# Altium PCB PCB7.PcbDoc (part 2 of 2)
Units mm, origin at the board's own origin, x right, y up, seen from the top; angles counter-clockwise.
Board outline 80 x 75 mm, 4 copper layers (Top Layer, Ground, Power, Bottom Layer), stack 0.603 mm thick; 90 components, 69 nets, 362 pads, 215 vias.
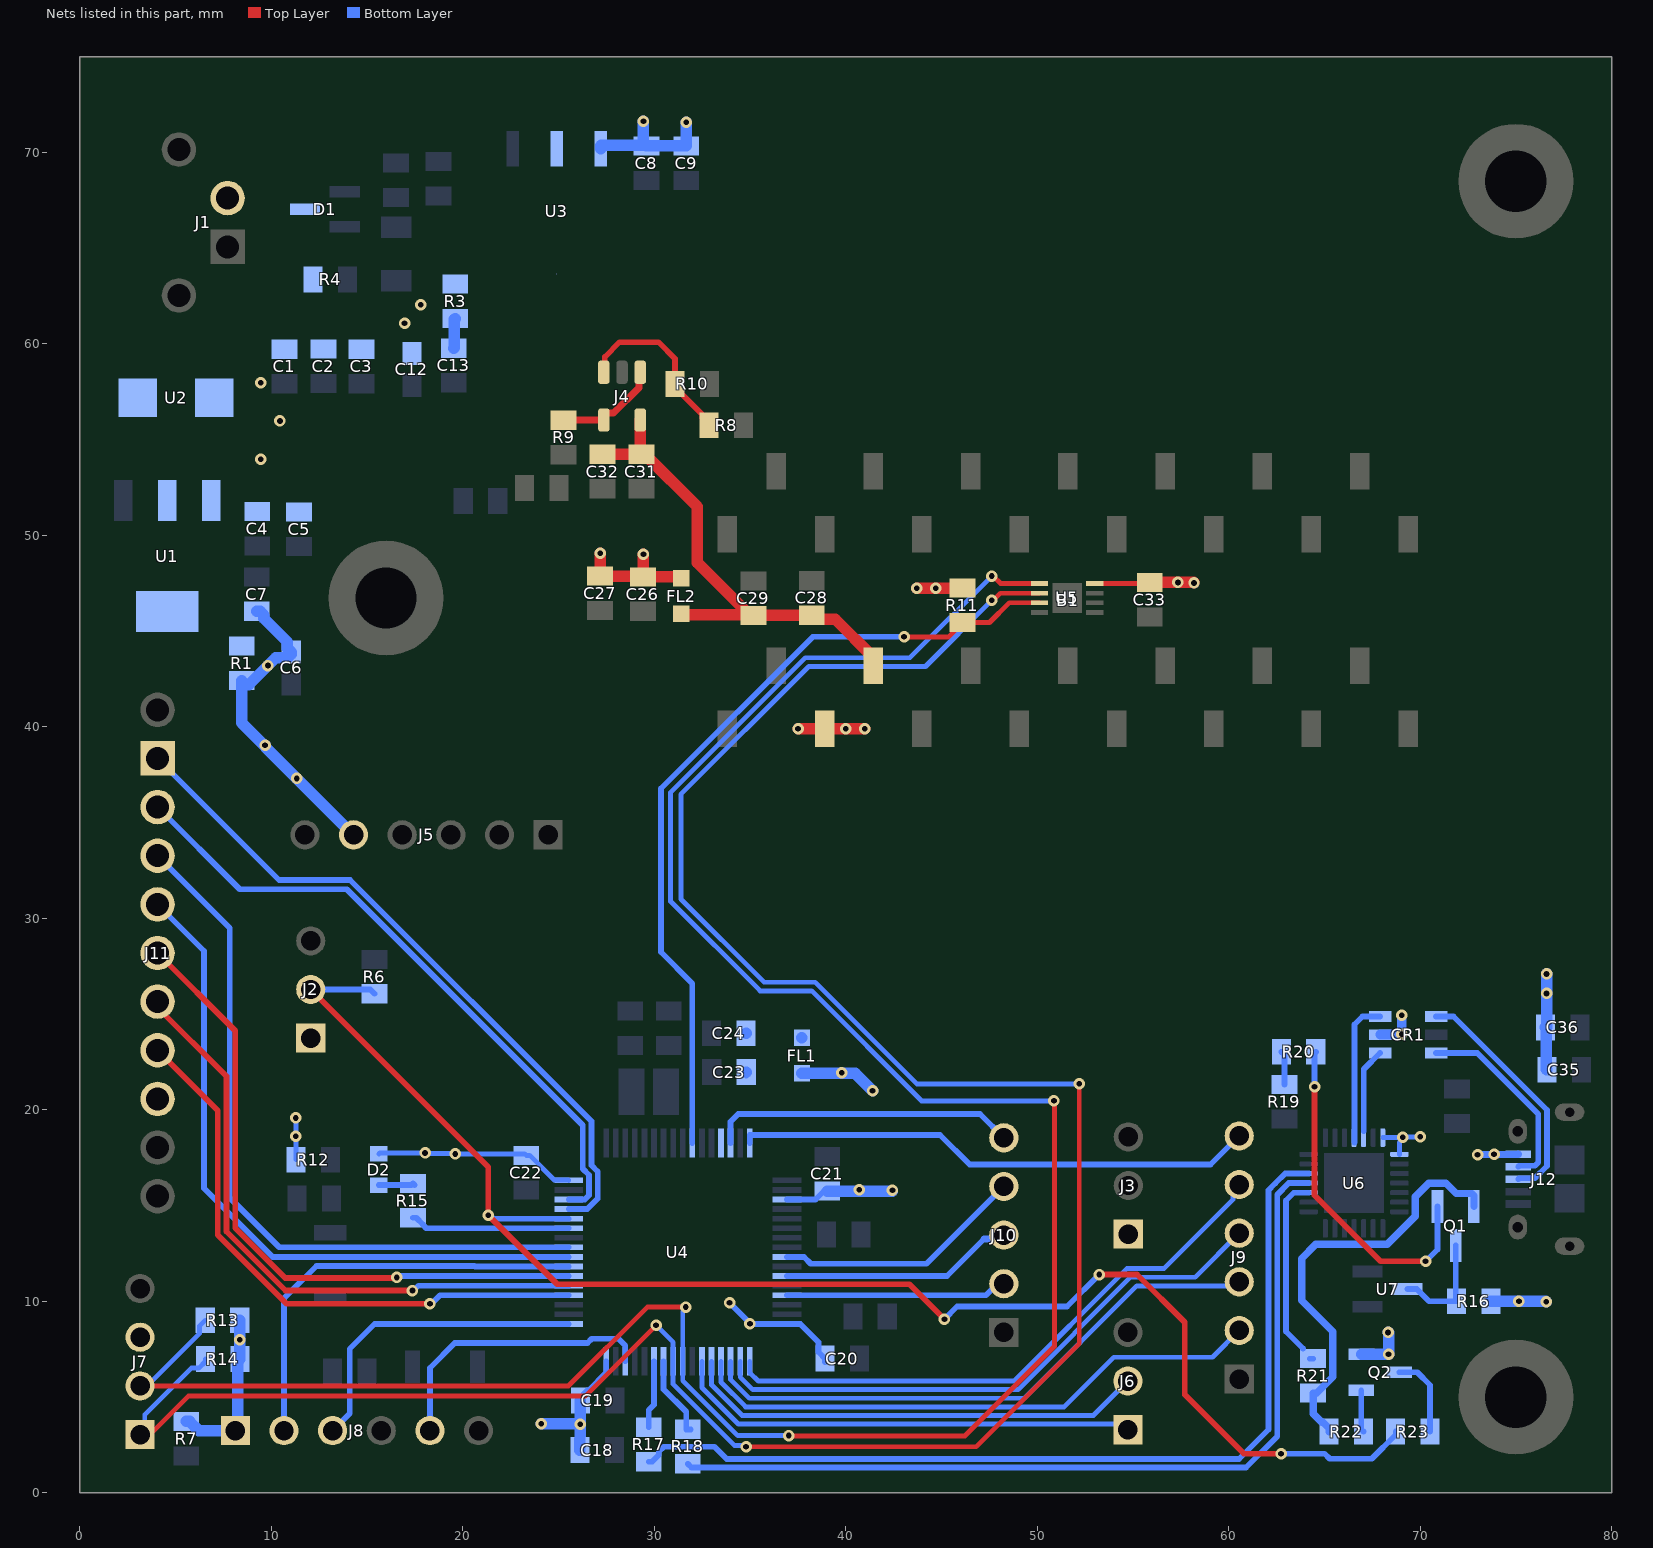
[diagram p4: the nets of this part, all layers, seen from the top]

## Via types
v1: diameter 0.6, hole 0.3, Top Layer to Bottom Layer, 215 vias

## Nets (pads, with @x,y where several pads share a name; then routed paths per layer and width w, separated by ;. In a path a pad name is that pad's centre, name@x,y a point inside that pad or via, vN(x,y) a via of type N, cw(c..) or ccw(c..) an arc to the next point about the centre after c; other vN are vias at no path point) (continued)
NetCR1_1: CR1.1 J12.3 | length 12.5
  Bottom Layer w0.3: CR1.1@70.833,24.877 71.745,24.877 76.627,19.995 76.627,17.071 75.989,16.433 75.178,16.433 J12.3@75.128,16.383
NetCR1_3: CR1.3 J12.2 | length 10.3
  Bottom Layer w0.3: CR1.3@70.833,22.977 72.984,22.977 76.175,19.787 76.175,17.259 75.999,17.083 75.178,17.083 J12.2@75.128,17.033
NetCR1_4: CR1.4 U6.5 | length 4.4
  Bottom Layer w0.3: U6.5@67.051,18.885 67.051,22.12 CR1.4@67.908,22.977
NetCR1_6: CR1.6 U6.4 | length 7.7
  Bottom Layer w0.3: U6.4@66.576,18.296 66.576,24.46 66.993,24.877 CR1.6@67.908,24.877
NetD1_3: D1.3 R3.1 R4.1 U3.2 U3.4
NetD2_C: D2.C R15.2 | length 1.9
  Bottom Layer w0.3: D2.C@15.621,16.078 17.312,16.078 R15.2@17.399,16.165 R15.2@17.489,16.075
NetJ1_2: J1.2 U2.2
NetJ2_02: J2.02 R6.1 R23.1 U4.60 | length 80.8
  Top Layer w0.3: J2.02@12.065,26.289 21.336,17.018 v1(21.336,14.503) 24.943,10.897 43.332,10.897 v1(45.161,9.068) ; v1(53.238,11.405) 55.22,11.405 57.709,8.915 57.709,5.131 60.789,2.05 v1(62.738,2.05)
  Bottom Layer w0.3: J2.02@12.065,26.289 15.167,26.289 R6.1@15.392,26.064 ; v1(21.336,14.503) 21.417,14.503 21.598,14.323 U4.60@25.542,14.323 ; v1(45.161,9.068) 45.822,9.728 51.562,9.728 v1(53.238,11.405) ; v1(62.738,2.05) 65.01,2.05 65.283,1.778 67.474,1.778 68.721,3.025 R23.1@68.721,3.2
NetJ4_1: J4.1 J4.4 R9.1 | length 5.6
  Top Layer w0.381: R9.1@25.273,56.018 25.28,56.025 27.364,56.025 J4.4@27.371,56.032 27.371,56.283 27.48,56.392 27.879,56.392 29.206,57.719 29.206,58.457 J4.1@29.271,58.522
NetJ4_3: J4.3 R8.2 R10.1 | length 9.4
  Top Layer w0.3: J4.3@27.371,58.522 27.425,58.576 27.425,59.327 28.194,60.096 30.226,60.096 31.093,59.229 R10.1@31.093,57.912 31.093,57.737 32.521,56.309 32.521,56.103 R8.2@32.871,55.753
NetJ6_01: J6.01 U4.38 | length 24.5
  Bottom Layer w0.254: U4.38@32.492,6.873 32.492,5.503 34.403,3.592 54.447,3.592 J6.01@54.737,3.302
NetJ6_02: J6.02 U4.37 | length 24.4
  Bottom Layer w0.254: U4.37@32.992,6.873 32.992,5.64 34.59,4.042 52.937,4.042 J6.02@54.737,5.842
NetJ7_01: J7.01 R14.1 U4.41 U5.2 | length 129.5
  Top Layer w0.254: J7.01@3.708,3.099 5.665,5.056 26.397,5.056 v1(30.099,8.758) ; v1(34.798,2.413) 46.812,2.413 52.197,7.798 v1(52.197,21.361) ; v1(47.624,46.611) 47.705,46.611 48.079,46.985 U5.2@50.12,46.985
  Bottom Layer w0.254: J7.01@3.15,3.048 3.398,3.297 3.398,4.084 5.828,6.514 6.218,6.514 6.568,6.864 R14.1@6.568,6.985 ; v1(30.099,8.758) 30.992,7.865 U4.41@30.992,6.873 30.992,5.681 34.203,2.47 34.741,2.47 v1(34.798,2.413) ; v1(47.624,46.611) 44.168,43.155 38.075,43.155 31.394,36.474 31.394,31.013 35.738,26.67 38.405,26.67 43.713,21.361 v1(52.197,21.361)
NetJ7_02: J7.02 R13.1 U4.40 U5.1 | length 128.2
  Top Layer w0.254: J7.02@3.15,5.588 25.527,5.588 29.642,9.703 v1(31.648,9.703) ; J7.02@3.708,5.893 J7.02@3.744,5.858 ; v1(37.033,2.992) 37.054,2.972 46.228,2.972 50.902,7.645 50.902,20.447 v1(50.876,20.472) ; v1(47.624,47.879) 47.705,47.879 48.093,47.492 50.114,47.492 U5.1@50.12,47.485
  Bottom Layer w0.254: J7.02@3.708,5.639 3.708,5.782 6.247,8.321 6.247,8.707 R13.1@6.557,9.017 ; U4.40@31.492,6.873 31.492,5.867 34.366,2.992 v1(37.033,2.992) ; U4.40@31.492,6.883 31.492,9.465 31.648,9.622 v1(31.648,9.703) ; v1(47.624,47.879) 43.356,43.612 37.892,43.612 30.861,36.581 30.861,30.886 35.535,26.213 38.222,26.213 43.963,20.472 v1(50.876,20.472)
NetJ8_02: J8.02 U4.55 | length 22.5
  Bottom Layer w0.3: J8.02@10.668,3.251 10.668,10.16 12.363,11.855 20.611,11.855 20.642,11.823 U4.55@25.542,11.823
NetJ8_03: J8.03 U4.49 | length 16.6
  Bottom Layer w0.3: J8.03@13.208,3.251 14.097,4.14 14.097,6.337 14.095,6.338 14.095,7.517 15.402,8.823 U4.49@25.542,8.823
NetJ8_05: J8.05 U4.46 | length 15.1
  Bottom Layer w0.3: J8.05@18.288,3.251 18.288,6.528 19.588,7.828 26.514,7.828 26.738,8.052 28.141,8.052 28.492,7.701 U4.46@28.492,6.873
NetJ9_02: J9.02 U4.36 | length 30.4
  Bottom Layer w0.254: U4.36@33.492,6.873 33.492,5.776 34.776,4.492 51.406,4.492 54,7.087 59.157,7.087 J9.02@60.608,8.538
NetJ9_03: J9.03 U4.35 | length 30.4
  Bottom Layer w0.254: U4.35@33.992,6.873 33.992,5.912 34.962,4.942 49.341,4.942 55.209,10.809 60.416,10.809 J9.03@60.554,10.947
NetJ9_04: J9.04 U4.34 | length 30.6
  Bottom Layer w0.254: U4.34@34.492,6.873 34.492,6.049 35.149,5.392 49.005,5.392 54.873,11.259 58.249,11.259 J9.04@60.616,13.626
NetJ9_05: J9.05 U4.33 | length 30.9
  Bottom Layer w0.254: U4.33@34.992,6.873 34.992,6.273 35.002,6.273 35.433,5.842 48.819,5.842 54.686,11.709 56.617,11.709 60.225,15.318 60.225,15.444 60.554,15.772 J9.05@60.554,16.104
NetJ9_06: J9.06 U4.16 | length 27.5
  Bottom Layer w0.3: U4.16@34.992,18.273 34.992,18.694 44.933,18.694 46.482,17.145 59.055,17.145 J9.06@60.702,18.792
NetJ10_02: J10.02 U4.29 | length 11.6
  Bottom Layer w0.3: U4.29@36.942,10.323 47.33,10.323 47.929,10.922 J10.02@48.26,10.922
NetJ10_03: J10.03 U4.27 | length 12.2
  Bottom Layer w0.3: U4.27@36.942,11.323 45.295,11.323 47.231,13.259
  Bottom Layer w0.381: 47.231,13.259 48.057,13.259 J10.03@48.26,13.462
NetJ10_04: J10.04 U4.25 | length 13.1
  Bottom Layer w0.3: U4.25@36.942,12.323 37.818,12.323 38.177,11.964 44.222,11.964 J10.04@48.26,16.002
NetJ10_05: J10.05 U4.14 | length 16.1
  Bottom Layer w0.3: U4.14@33.992,18.273 33.992,19.387 34.392,19.787 47.015,19.787 J10.05@48.26,18.542
NetJ11_1: J11.1 U4.61 | length 36.4
  Bottom Layer w0.3: J11.1@4.064,38.354 10.414,32.004 14.122,32.004 26.721,19.406 26.721,17.112 27.047,16.786 27.047,15.36 26.509,14.823 U4.61@25.542,14.823
NetJ11_2: J11.2 U4.62 | length 34
  Bottom Layer w0.3: J11.2@4.064,35.814 8.357,31.521 13.945,31.521 26.268,19.198 26.268,16.924 26.594,16.598 26.594,15.548 26.37,15.323 U4.62@25.542,15.323
NetJ11_3: J11.3 U4.57 | length 38.2
  Bottom Layer w0.3: J11.3@4.064,33.274 7.833,29.505 7.833,15.408 10.418,12.823 U4.57@25.542,12.823
NetJ11_4: J11.4 U4.56 | length 36.4
  Bottom Layer w0.3: J11.4@4.064,30.734 6.494,28.304 6.494,15.909 10.08,12.323 U4.56@25.542,12.323
NetJ11_5: J11.5 U4.54 | length 34.6
  Top Layer w0.3: J11.5@4.064,28.194 8.118,24.14 8.118,13.837 10.732,11.223 16.532,11.223 v1(16.561,11.252)
  Bottom Layer w0.3: v1(16.561,11.252) 16.618,11.31 16.783,11.31 16.797,11.323 U4.54@25.542,11.323
NetJ11_6: J11.6 U4.53 | length 32.8
  Top Layer w0.3: J11.6@4.064,25.654 4.064,25.355 7.666,21.753 7.666,13.649 10.749,10.566 v1(17.374,10.566)
  Bottom Layer w0.3: v1(17.374,10.566) 17.443,10.566 17.699,10.823 U4.53@25.542,10.823
NetJ11_7: J11.7 U4.52 | length 31
  Top Layer w0.3: J11.7@4.064,23.114 7.214,19.964 7.214,13.462 10.795,9.881 v1(18.288,9.881)
  Bottom Layer w0.3: v1(18.288,9.881) 18.369,9.881 18.812,10.323 U4.52@25.542,10.323
NetQ1_1: Q1.1 R20.2 | length 17.9
  Top Layer w0.3: v1(64.491,21.209) 64.491,15.545 67.945,12.09 v1(70.282,12.09)
  Bottom Layer w0.3: v1(64.491,21.209) 64.491,22.976 R20.2@64.552,23.038 R20.2@64.567,23.023 ; v1(70.282,12.09) 70.904,12.713 Q1.1@70.904,14.961
NetQ1_2: Q1.2 R21.1 R22.1 | length 22.7
  Bottom Layer w0.381: R22.1@65.242,3.2 65.242,3.375 64.932,3.685 64.868,3.685 64.414,4.139 R21.1@64.414,5.21 64.589,5.21 65.432,6.053 65.432,8.426 63.812,10.047 63.812,12.245 64.549,12.982 68.285,12.982 69.749,14.446 69.749,15.459 70.457,16.167 71.351,16.167 71.884,15.634 72.695,15.634 72.809,15.519 Q1.2@72.809,14.961
NetQ1_3: Q1.3 R16.1 U7.3 | length 5.8
  Bottom Layer w0.3: U7.3@69.342,10.643 69.825,10.643 70.46,10.008 R16.1@71.896,10.008 71.857,10.047 Q1.3@71.857,12.929
NetQ2_1: Q2.1 R22.2 | length 2.2
  Bottom Layer w0.3: Q2.1@66.93,5.349 66.93,3.312 R22.2@67.042,3.2
NetQ2_3: Q2.3 R23.2 | length 4.3
  Bottom Layer w0.3: Q2.3@68.91,6.299 68.913,6.295 69.854,6.295 70.521,5.628 R23.2@70.521,3.2
NetR1_1: R1.1 U1.2 U1.4
NetR11_1: R11.1 U4.10 U5.3 | length 42.8
  Top Layer w0.254: v1(43.053,44.704) 45.385,44.704 R11.1@46.016,45.335 ; R11.1@46.101,45.455 47.512,45.455 48.542,46.485 U5.3@50.12,46.485
  Bottom Layer w0.3: U4.10@31.992,18.273 31.992,26.606 30.353,28.245 30.353,36.779 38.278,44.704 v1(43.053,44.704)
NetR15_1: R15.1 U4.59 | length 8.4
  Bottom Layer w0.3: R15.1@17.399,14.365 17.574,14.365 17.924,14.015 17.924,13.999 18.1,13.823 U4.59@25.542,13.823
NetR17_1: R17.1 U6.26 | length 48.7
  Bottom Layer w0.3: R17.1@29.718,1.629 29.893,1.629 30.243,1.979 30.243,2.154 30.502,2.413 33.147,2.413 33.787,1.773 60.547,1.773 62.082,3.308 62.082,15.808 62.424,16.15 62.427,16.15 62.957,16.68 U6.26@64.181,16.68
NetR17_2: R17.2 U4.43 | length 3.6
  Bottom Layer w0.3: R17.2@29.718,3.429 29.718,4.329 29.992,4.603 U4.43@29.992,6.873
NetR18_1: R18.1 U4.42 | length 4.3
  Bottom Layer w0.3: U4.42@30.492,6.873 30.492,5.412 31.671,4.233 31.671,3.313 R18.1@31.914,3.313
NetR18_2: R18.2 U6.25 | length 46.1
  Bottom Layer w0.3: R18.2@31.75,1.524 31.953,1.321 60.911,1.321 62.535,2.945 62.535,15.57 63.144,16.18 U6.25@64.181,16.18
NetR19_1: R19.1 R20.1 | length 1.8
  Bottom Layer w0.3: R20.1@62.752,23.038 62.916,22.874 R19.1@62.916,21.333
NRTS_USB: R21.2 U6.24 | length 9.6
  Bottom Layer w0.3: 63.881,7.544 62.992,8.433 62.992,15.265 63.406,15.68 U6.24@64.181,15.68 ; R21.2@64.239,7.01 R21.2@64.414,7.01
VCC: C1.1 C2.1 C3.1 C4.1 C5.1 C8.1 C9.1 U1.3 U2.1 U3.3 | length 7.2
  Bottom Layer w0.6: U3.3@27.216,70.206 27.216,70.301 U3.3@27.246,70.331 ; U3.3@27.216,70.353 27.246,70.383 29.631,70.383 C8.1@29.591,70.344 ; v1(29.439,71.628) 29.439,70.544 29.638,70.344 C9.1@31.673,70.344 ; C9.1@31.674,70.383 v1(31.674,71.577)
  other v1: 9.455,53.979 10.455,55.979 9.455,57.979
VDD: C6.1 C7.1 C18.1 C19.1 C20.1 C21.1 C22.1 C33.1 D2.A FL1.2 J2.01 J3.01 J5.05 J7.03 J8.01 J11.8 Q2.2 R1.2 R7.2 R11.2 R12.2 R13.2 R14.2 R16.2 U4.19 U4.32 U4.48 U4.64 U5.8 | length 74.6
  Top Layer w0.254: R11.2@46.09,47.244 R11.2@46.101,47.255 ; U5.8@53.01,47.485 55.816,47.485 C33.1@55.88,47.549
  Top Layer w0.6: v1(43.713,47.244) R11.2@46.09,47.244 ; C33.1@55.88,47.549 v1(57.353,47.549) 58.166,47.549 v1(58.191,47.523)
  Bottom Layer w0.254: R12.2@11.292,17.399 v1@11.292,19.569 ; D2.A@15.621,17.698 15.677,17.755 v1(18.034,17.755) 18.059,17.729 19.583,17.729 v1(19.609,17.704) 23.238,17.704 C22.1@23.317,17.624 23.492,17.624 24.77,16.346 25.519,16.346 U4.64@25.542,16.323
  Bottom Layer w0.3: C19.1@26.151,4.826 26.151,5.001 26.501,5.351 26.57,5.351 27.492,6.273 U4.48@27.492,6.873 ; v1(33.934,9.931) 35.043,8.823 37.626,8.823 38.577,7.871 38.577,7.36 C20.1@38.927,7.01 C20.1@38.927,6.835 ; U4.19@36.942,15.323 38.425,15.323 38.865,15.762 C21.1@39.04,15.762
  Bottom Layer w0.6: R7.2@5.563,3.734 5.738,3.734 6.22,3.251 J8.01@8.128,3.251 8.248,3.371 8.248,6.865 R14.2@8.368,6.985 8.362,6.99 8.362,9.012 R13.2@8.357,9.017 ; R1.2@8.458,42.421 8.458,40.208 9.627,39.04 v1(9.677,39.04) 9.677,38.964 v1(11.328,37.313) 14.275,34.366 J5.05@14.3,34.366 ; R1.2@8.839,42.215 10.228,43.603 10.849,43.603 11.049,43.804 C6.1@11.049,43.908 10.849,44.108 10.849,44.436 9.621,45.664 9.621,45.839 9.421,46.039 C7.1@9.246,46.039 ; v1(24.105,3.607) v1@26.136,3.607 ; C18.1@26.126,2.281 C18.1@26.126,2.235 v1(26.137,3.581) v1@26.136,3.607 ; C19.1@26.151,4.826 26.142,4.451 v1@26.136,3.607 ; FL1.2@37.719,21.905 40.503,21.905 v1(41.402,21.006) ; C21.1@39.04,15.762 v1@42.443,15.762 ; Q2.2@66.94,7.249 68.341,7.249 v1(68.351,7.239) 68.351,8.357 v1(68.326,8.382) ; R16.2@73.696,10.008 76.556,10.008 v1(76.581,9.982)
  other v1: 8.362,8.001 35.001,8.839 75.159,10.008 42.443,15.799 40.716,15.824 11.278,18.618 11.278,19.583 39.802,21.946 9.83,43.205 44.704,47.244
VDDA: C23.1 C24.1 FL1.1 U4.13 | length 0.2
  Bottom Layer w0.3: C23.1@34.809,21.796 C23.1@34.809,21.971
  Bottom Layer w0.6: C24.1@34.798,24.003 C24.1@34.804,23.997 ; C23.1@34.804,21.976 C23.1@34.809,21.971 ; FL1.1@37.719,23.764 FL1.1@37.719,23.768
VTCD: B1.1 C12.1 C13.1 C26.1 C27.1 FL2.2 R3.2 | length 11.8
  Top Layer w0.6: v1(27.178,49.073) C27.1@27.178,47.879 27.198,47.859 C26.1@29.433,47.859 ; v1(29.439,49.022) 29.439,47.865 C26.1@29.433,47.859 ; FL2.2@31.42,47.767 31.348,47.839 C26.1@29.413,47.839 C26.1@29.433,47.859 ; v1(37.516,39.903) 37.521,39.898 B1.1@38.906,39.898 40,39.898 v1(40.005,39.903) v1(40.996,39.903)
  Bottom Layer w0.6: C13.1@19.533,59.777 19.571,59.815 19.571,61.292 R3.2@19.609,61.33
  other v1: 16.967,61.087 17.805,62.052
VTCDA: B1.2 C28.1 C29.1 C31.1 C32.1 FL2.1 J4.5 | length 26.3
  Top Layer w0.6: C32.1@27.305,54.24 C31.1@29.337,54.24 ; J4.5@29.271,56.032 29.271,54.306 C31.1@29.337,54.24 ; FL2.1@31.42,45.908 31.461,45.867 C29.1@34.962,45.867 ; C28.1@38.212,45.821 C28.1@38.222,45.831 ; B1.2@41.446,43.198 41.446,43.638 39.448,45.636 38.427,45.636 C28.1@38.232,45.831 ; C31.1@29.337,54.24 29.512,54.24 32.258,51.494 32.258,48.571 C29.1@34.962,45.867 ; C29.1@34.962,45.867 35.137,45.867 C29.1@35.179,45.825 ; C29.1@34.962,45.867 35.004,45.825 C29.1@35.179,45.825 ; C29.1@35.179,45.825 35.184,45.831 C28.1@38.222,45.831 ; C28.1@38.222,45.831 C28.1@38.232,45.831 ; C28.1@38.222,45.831 C28.1@38.227,45.836 C28.1@38.232,45.831
VUSB: C35.1 C36.1 CR1.5 J12.1 U6.7 U6.8 | length 12.4
  Bottom Layer w0.254: U6.7@68.051,18.55 68.051,18.564 68.054,18.567 v1(69.088,18.567) ; U6.8@68.921,17.68 68.921,18.307 69.088,18.474 v1(69.088,18.567) ; v1(70.002,18.593) 69.99,18.58 69.101,18.58 v1(69.088,18.567)
  Bottom Layer w0.3: CR1.5@67.908,23.927 67.921,23.939 CR1.5@68.037,24.056 ; v1@69.024,23.939 v1(69.037,23.952)
  Bottom Layer w0.381: v1(73,17.653) 73.02,17.673 75.119,17.673 J12.1@75.128,17.683
  Bottom Layer w0.508: CR1.5@67.921,23.939 v1@69.024,23.939 ; v1(69.037,23.952) v1(69.037,24.943)
  Bottom Layer w0.6: C36.1@76.545,24.308 76.583,24.27 76.583,22.136 C35.1@76.621,22.098 ; C36.1@76.606,24.322 v1(76.606,27.102)
  other v1: 73.863,17.678 76.606,26.086
pads on no net: D1.2 J12.4 U4.1 U4.2 U4.3 U4.4 U4.8 U4.9 U4.11 U4.23 U4.24 U4.39 U4.44 U4.45 U4.50 U4.51 U6.1 U6.2 U6.9 U6.10 U6.11 U6.12 U6.13 U6.14 U6.15 U6.16 U6.17 U6.18 U6.19 U6.20 U6.21 U6.22 U6.23 U6.27 U7.2

## Polygon pours and split planes (outlines as drawn)
GND on Bottom Layer "GND_L04_P047" (solid, remove dead copper, pour order 47): 0,-0.025 0.025,-0.051 80.061,-0.051 80.061,75.006 79.985,75.082 79.883,74.981 0.025,74.981
AGND on Bottom Layer "AGND_L04_P027" (solid, remove dead copper, pour order 27): 21.768,18.517 24.511,18.517 26.619,16.408 26.619,14.605 26.619,13.665 26.683,13.602 28.143,12.141 42.037,12.141 42.037,15.088 30.124,15.088 21.59,23.724 21.768,35.865 25.222,35.865 28.092,38.735 28.143,38.684 37.694,38.684 37.694,37.211 79.578,37.211 79.578,56.337 37.296,56.337 34.315,59.318 34.315,60.63 25.298,60.63 25.298,58.725 21.107,58.725 21.107,39.04 17.247,35.179 17.247,23.038
NetC10_1 on Bottom Layer "NETC10_1_L04_P044" (solid, remove dead copper, pour order 44): 23.444,71.399 23.444,65.557 18.618,65.557 18.593,65.532 18.593,62.357 13.462,62.357 13.31,62.205 12.827,62.687 12.827,70.917 13.31,71.399
VTCD on Bottom Layer "VTCD_L04_P036" (solid, remove dead copper, pour order 36): 21.259,62.941 21.259,59.029 20.93,58.699 20.904,58.725 16.231,58.725 16.205,62.281 16.205,61.443 17.704,62.941
NetD1_3 on Bottom Layer "NETD1_3_L04_P035" (solid, remove dead copper, pour order 35): 18.463,62.433 21.438,62.433 21.438,62.118 27.28,62.118 27.28,72.746 10.16,72.746 10.16,62.205 13.31,62.205 13.31,71.399 23.444,71.399 23.444,65.557 18.463,65.557
NetR1_1 on Bottom Layer "NETR1_1_L04_P037" (solid, remove dead copper, pour order 37): 3.175,53.086 3.175,52.883 3.175,52.73 3.175,49.911 2.388,49.911 1.372,49.911 1.372,43.205 9.881,43.205 9.881,45.187 8.204,45.187 8.204,50.114 5.867,50.114 5.867,54.026 3.175,54.026
VDDA on Bottom Layer "VDDA_L04_P038" (solid, remove dead copper, pour order 38): 33.223,25.171 33.223,17.45 33.743,17.45 33.743,20.549 37.084,20.549 37.084,23.292 39.472,23.292 39.472,25.832 33.884,25.832
VCC on Bottom Layer "VCC_L04_P033" (solid, remove dead copper, pour order 33): 5.994,60.731 5.994,50.368 10.82,50.368 10.82,55.956 11.049,56.185 15.697,56.185 15.697,60.376 15.342,60.731
NetJ1_2 on Bottom Layer "NETJ1_2_L04_P032" (solid, remove dead copper, pour order 32): 0.918,70.155 9.068,70.155 9.068,64.897 5.639,64.897 5.639,55.347 0.965,55.347
AGND on Bottom Layer "AGND_L04_P024" (solid, remove dead copper, pour order 24): 42.037,15.323 42.037,12.141 30.963,12.141 30.963,15.323
GND on Top Layer "GND_L01_P050" (solid, remove dead copper, pour order 50): -0.025,75.006 -0.025,-0.051 80.035,-0.051 80.086,0 80.061,0.025 80.061,75.057
AGND on Top Layer "AGND_L01_P046" (solid, remove dead copper, pour order 46): 79.502,56.21 79.426,56.286 37.871,56.286 37.871,57.023 34.138,60.757 25.298,60.757 25.298,58.75 25.146,58.598 20.98,58.598 20.98,39.167 16.916,35.103 17.043,34.976 17.043,22.936 28.143,11.836 42.367,11.836 42.367,15.392 42.494,15.519 42.367,15.646 29.693,15.646 29.693,15.672 21.641,23.724 21.742,23.825 21.742,34.061 22.047,34.061 24.816,36.83 27,36.83 79.527,36.83 79.553,36.855
VDD on Power (split plane): 79.49,37.238 38.13,37.238 37.86,37.238 37.82,37.234 37.78,37.232 37.248,37.147 37.209,37.137 37.17,37.128 36.657,36.962 36.62,36.946 36.583,36.931 36.102,36.686 36.068,36.665 36.034,36.644 35.597,36.327 35.567,36.301 35.536,36.275 35.155,35.894 35.129,35.863 35.103,35.833 34.786,35.396 34.765,35.362 34.744,35.328 34.499,34.847 34.484,34.81 34.468,34.773 34.302,34.26 34.293,34.221 34.283,34.182 34.198,33.65 34.196,33.61 34.192,33.57 34.192,33.03 34.196,32.99 34.198,32.95 34.283,32.418 34.293,32.379 34.302,32.34 34.468,31.827 34.484,31.79 34.499,31.753 34.744,31.272 34.765,31.238 34.786,31.204 35.103,30.767 35.129,30.737 35.155,30.706 35.536,30.325 35.567,30.299 35.597,30.273 36.034,29.956 36.068,29.935 36.102,29.914 36.583,29.669 36.62,29.654 36.657,29.638 37.17,29.472 37.209,29.463 37.248,29.453 37.78,29.368 37.82,29.366 37.86,29.362 64.799,29.362 64.799,18.212 64.805,18.153 64.822,18.096 64.85,18.044 64.887,17.999 67.097,15.789 67.143,15.751 67.195,15.723 67.251,15.706 67.31,15.701 79.49,15.701 79.49,0.51 0.51,0.51 0.51,47.679 11.1,47.679 11.159,47.685 11.215,47.702 11.267,47.73 11.313,47.767 14.781,51.235 17.554,51.235 20.081,48.707 30.521,38.268 30.567,38.23 30.619,38.202 30.675,38.185 30.734,38.18 41.529,38.18 41.588,38.185 41.644,38.202 41.696,38.23 41.742,38.268 43.52,40.046 43.558,40.092 43.586,40.144 43.603,40.2 43.608,40.259 43.608,56.232 79.49,56.232
VCC on Power (split plane): 79.49,64.108 37.86,64.108 37.82,64.104 37.78,64.102 37.248,64.017 37.209,64.007 37.17,63.998 36.657,63.832 36.62,63.816 36.583,63.801 36.102,63.556 36.068,63.535 36.034,63.514 35.597,63.197 35.567,63.171 35.536,63.145 35.155,62.764 35.13,62.733 35.103,62.703 34.786,62.267 34.766,62.232 34.744,62.198 34.499,61.718 34.484,61.68 34.468,61.644 34.302,61.131 34.293,61.092 34.283,61.053 34.26,60.907 26.489,68.678 26.489,70.561 26.483,70.62 26.466,70.677 26.438,70.729 26.401,70.774 25.207,71.968 25.161,72.006 25.109,72.034 25.052,72.051 24.994,72.056 11.252,72.056 11.193,72.051 11.137,72.034 11.085,72.006 11.039,71.968 9.693,70.622 9.655,70.576 9.627,70.524 9.61,70.468 9.605,70.409 9.605,62.865 9.61,62.806 9.627,62.75 9.655,62.698 9.693,62.652 11.471,60.874 11.517,60.836 11.569,60.808 11.625,60.791 11.684,60.786 15.115,60.786 15.701,60.2 15.701,51.838 14.656,51.838 14.597,51.832 14.54,51.815 14.488,51.787 14.443,51.75 10.975,48.282 0.51,48.282 0.51,74.49 79.49,74.49
VUSB on Power (split plane): 79.49,16.303 67.435,16.303 65.402,18.337 65.402,29.362 79.49,29.362
VTCD on Power (split plane): 25.886,70.436 25.886,68.553 25.892,68.494 25.909,68.438 25.937,68.385 25.974,68.34 34.192,60.122 34.192,59.901 34.196,59.861 34.198,59.821 34.283,59.288 34.293,59.249 34.301,59.21 34.468,58.697 34.484,58.66 34.499,58.623 34.743,58.142 34.765,58.109 34.785,58.074 35.102,57.638 35.129,57.608 35.154,57.577 35.536,57.195 35.567,57.17 35.597,57.143 36.033,56.826 36.068,56.806 36.101,56.784 36.582,56.539 36.619,56.525 36.656,56.509 37.169,56.342 37.208,56.333 37.247,56.323 37.779,56.239 37.819,56.236 37.859,56.232 38.128,56.232 38.129,56.232 38.13,56.232 43.006,56.232 43.006,40.384 41.404,38.782 30.859,38.782 20.508,49.134 17.892,51.75 17.846,51.787 17.794,51.815 17.737,51.832 17.678,51.838 16.303,51.838 16.303,60.325 16.298,60.384 16.281,60.44 16.253,60.492 16.215,60.538 15.453,61.3 15.407,61.338 15.355,61.366 15.299,61.383 15.24,61.388 11.809,61.388 10.207,62.99 10.207,70.284 11.377,71.454 24.869,71.454
GND on Ground (split plane): 79.49,64.108 37.86,64.108 37.82,64.104 37.78,64.102 37.248,64.017 37.209,64.007 37.17,63.998 36.657,63.832 36.62,63.816 36.583,63.801 36.102,63.556 36.068,63.535 36.034,63.514 35.597,63.197 35.567,63.171 35.536,63.145 35.155,62.764 35.13,62.733 35.103,62.703 34.786,62.267 34.766,62.232 34.744,62.198 34.499,61.718 34.484,61.68 34.468,61.644 34.302,61.131 34.293,61.092 34.283,61.053 34.198,60.52 34.196,60.48 34.193,60.449 21.057,60.449 20.998,60.443 20.941,60.426 20.889,60.398 20.843,60.36 20.806,60.315 20.778,60.263 20.761,60.206 20.755,60.147 20.755,49.174 20.761,49.116 20.778,49.059 20.806,49.007 20.843,48.961 20.889,48.924 20.941,48.896 20.998,48.879 21.057,48.873 60.938,48.873 60.938,45.005 26.213,45.005 26.154,45 26.097,44.983 26.045,44.955 26,44.917 25.962,44.871 25.934,44.819 25.917,44.763 25.911,44.704 25.911,42.517 17.16,33.767 17.123,33.721 17.095,33.669 17.078,33.612 17.072,33.553 17.072,22.301 17.078,22.242 17.095,22.186 17.123,22.134 17.16,22.088 27.143,12.106 27.188,12.068 27.24,12.04 27.297,12.023 27.356,12.018 41.783,12.018 41.842,12.023 41.898,12.04 41.95,12.068 41.996,12.106 42.034,12.152 42.062,12.204 42.079,12.26 42.084,12.319 42.084,15.062 42.079,15.121 42.062,15.178 42.034,15.23 41.996,15.275 41.95,15.313 41.898,15.341 41.842,15.358 41.783,15.364 30.63,15.364 25.117,20.877 25.117,26.292 31.066,26.292 32.527,24.831 32.573,24.794 32.625,24.766 32.682,24.749 32.741,24.743 40.081,24.743 40.14,24.749 40.197,24.766 40.249,24.794 40.294,24.831 44.825,29.362 79.49,29.362 79.49,0.51 0.51,0.51 0.51,74.49 79.49,74.49
AGND on Ground (split plane): 157 vertices, not listed, extent 17.675,12.62 79.49,59.846

## Keep-outs
Keep-Out Layer:
  lines w0.254: 38.125,29.999 cw(c38.125,33.299) 38.125,36.599 ; 38.13,30 80,30 80,0 0,0 0,75 80,75 80,63.47 38.13,63.47 ccw(c38.13,60.17) 38.13,56.87 80,56.87 80,36.6 38.13,36.6

## Other copper
Ground (plane layer: these items are gaps in the copper):
  lines w0.6: 34.871,60.686 34.332,60.147 21.057,60.147 21.057,49.174 61.239,49.174 61.239,44.704 58.09,44.704 26.213,44.704 26.213,42.393 17.374,33.553 17.374,22.301 27.356,12.319 41.783,12.319 41.783,15.062 30.505,15.062 24.816,20.752 24.816,26.594 31.191,26.594 32.741,25.044 40.081,25.044 44.933,29.896
Power (plane layer: these items are gaps in the copper):
  lines w0.6: -0.051,47.981 11.1,47.981 14.656,51.537 16.739,51.537 17.678,51.537 20.295,48.92 30.734,38.481 41.529,38.481 43.307,40.259 43.307,56.642 ; 16.002,51.638 16.002,60.325 15.24,61.087 11.684,61.087 9.906,62.865 9.906,70.409 11.252,71.755 24.994,71.755 26.187,70.561 26.187,68.553 34.83,59.91 ; 65.405,29.845 65.1,29.54 65.1,18.212 67.31,16.002 80.086,16.002 ; 65.415,0 78.435,0

## Silkscreen, mask and mechanical layers (free items; w line width, h text height)
Bottom Overlay:
  circle w0.1: c1.118,72.288 r0.521
  circle w0.1: c1.143,60.452 r0.521
  lines w0.1: 0.838,42.418 7.188,42.418 7.188,43.612 0.838,43.612 0.838,42.418 ; 0.94,44.374 1.194,44.12 7.188,44.12 7.442,43.866 7.442,40.691 7.772,40.361 12.268,40.361 12.7,40.792 12.7,44.939 12.7,54.305 12.421,54.585 1.143,54.585 0.94,54.381 0.94,44.374 ; 1.93,71.628 9.423,71.628 9.423,72.822 1.93,72.822 1.93,71.628 ; 2.108,12.446 4.242,12.446 4.242,13.64 2.108,13.64 2.108,12.446 ; 8.733,32.893 8.733,35.773 9.927,35.773 9.927,32.893 8.733,32.893 ; 9.017,24.536 9.017,28.042 10.211,28.042 10.211,24.536 9.017,24.536 ; 9.83,62.052 9.83,72.593 10.033,72.796 32.512,72.796 32.741,72.568 32.741,62.078 32.537,61.874 23.52,61.874 21.311,61.874 21.107,61.671 21.107,55.982 20.904,55.778 16.104,55.778 15.875,56.007 15.875,61.57 15.672,61.773 10.109,61.773 9.83,62.052 ; 10.008,10.033 10.008,13.995 11.201,13.995 11.201,10.033 10.008,10.033 ; 16.483,18.448 18.769,18.448 18.769,19.642 16.483,19.642 16.483,18.448 ; 22.657,2.21 22.657,4.343 23.851,4.343 23.851,2.21 22.657,2.21 ; 45.237,10.973 45.237,15.875 46.431,15.875 46.431,10.973 45.237,10.973 ; 51.918,2.921 51.918,8.687 53.086,8.687 53.086,2.921 51.918,2.921 ; 53.213,20.295 56.286,20.295 56.286,21.488 53.213,21.488 53.213,20.295 ; 59.563,20.32 61.493,20.32 61.493,21.488 59.563,21.488 59.563,20.32 ; 65.126,0.737 71.679,0.737 71.679,1.905 65.126,1.905 65.126,0.737
  lines w0.254: 7.544,41.681 9.525,41.681 9.525,43.205 7.544,43.205 7.544,41.681 ; 18.567,60.584 20.574,60.584 20.574,62.205 18.567,62.205 18.567,60.584
  text "+" at 1.448,72.468 h0.6 r90
  text "POWER SUPPLY" at 9.171,71.931 h0.6
  text "REG VTCD" at 14.835,71.855 h0.6
  text "-" at 1.445,60.657 h0.6 r90
  text "REG VDD" at 11.406,53.618 h0.6
  text "TO BOARD B" at 6.936,42.747 h0.6
  text "PWM" at 7.241,39.219 h0.6 r90
  text "STEP" at 7.241,36.984 h0.6 r90
  text "TEST" at 9.598,35.444 h0.6 r90
  text "ENB1" at 7.241,34.393 h0.6 r90
  text "GND" at 12.575,32.002 h0.6
  text "VDD" at 15.064,32.002 h0.6
  text "fM" at 17.324,32.002 h0.6
  text "OS" at 19.915,32.002 h0.6
  text "ICG" at 22.633,32.002 h0.6
  text "SH" at 24.919,32.002 h0.6
  text "SLP1" at 7.241,31.802 h0.6 r90
  text "0" at 14.48,29.034 h0.6 r90
  text "DIR" at 7.241,28.958 h0.6 r90
  text "BOOT0" at 9.882,27.713 h0.6 r90
  text "<-B->" at 14.505,27.637 h0.6 r90
  text "ENB2" at 7.241,26.824 h0.6 r90
  text "SLP2" at 7.241,24.208 h0.6 r90
  text "1" at 14.505,23.878 h0.6 r90
  text "VDD" at 7.241,21.363 h0.6 r90
  text "SPI" at 61.241,20.649 h0.6
  text "BOOT1" at 56.034,20.623 h0.6
  text "WUP" at 50.675,19.331 h0.6 r90
  text "GND" at 7.241,18.874 h0.6 r90
  text "LED" at 18.366,18.794 h0.6
  text "0" at 57.202,18.721 h0.6 r90
  text "<-B->" at 57.228,17.426 h0.6 r90
  text "RES1" at 50.675,17.147 h0.6 r90
  text "CS1" at 63.019,16.969 h0.6 r90
  text "AUXILIAR" at 46.103,15.623 h0.6 r90
  text "RES2" at 50.675,14.657 h0.6 r90
  text "CLK" at 62.994,14.505 h0.6 r90
  text "BUTTON" at 10.873,13.667 h0.6 r90
  text "1" at 57.202,13.565 h0.6 r90
  text "I2C" at 3.913,12.775 h0.6
  text "MISO" at 62.994,12.295 h0.6 r90
  text "RES3" at 50.675,12.041 h0.6 r90
  text "GND" at 1.348,11.432 h0.6 r90
  text "MOSI" at 62.994,9.628 h0.6 r90
  text "GND" at 57.152,9.247 h0.6 r90
  text "GND" at 50.675,9.222 h0.6 r90
  text "VDD" at 1.322,8.942 h0.6 r90
  text "UART DATA" at 52.808,8.409 h0.6 r90
  text "GND" at 62.994,6.783 h0.6 r90
  text "SDA" at 1.348,6.504 h0.6 r90
  text "TX" at 57.152,6.428 h0.6 r90
  text "RX" at 57.152,3.888 h0.6 r90
  text "SCL" at 1.348,3.837 h0.6 r90
  text "SWD" at 22.985,2.462 h0.6 r270
  text "USB (UART1)" at 71.426,1.065 h0.6
  text "VDD" at 8.917,0.887 h0.6
  text "SWO" at 11.457,0.887 h0.6
  text "CLK" at 13.972,0.887 h0.6
  text "NRST" at 16.842,0.887 h0.6
  text "IO" at 18.645,0.887 h0.6
  text "GND" at 21.693,0.887 h0.6
Mechanical 1:
  circle w0.254: c51.565,46.735 r25
  circle w0.254: c51.565,46.735 r0.25
  lines w0.254: 38.13,30 cw(c38.13,33.3) 38.13,36.6 ; 38.13,30 80,30 80,36.6 38.13,36.6 ; 38.13,30 38.13,36.6 ; 38.13,56.87 cw(c38.13,60.17) 38.13,63.47 ; 38.13,56.87 80,56.87 80,63.47 38.13,63.47 ; 38.13,56.87 38.13,63.47 ; 0,0 80,0 80,75 0,75 0,0
  lines w0.6: 49.785,46.735 51.565,46.735 ; 51.565,44.58 51.565,46.58 ; 51.565,48.735 51.565,46.735 ; 53.565,46.735 51.565,46.735
Bottom Assembly:
  lines w0.1: 12.7,50.013 12.7,54.305

## Text inside footprints (layer, text, board x,y; h text height)
C6: Bottom Overlay "+" at 10.549,44.603 h0.6 r90
C11: Bottom Overlay "+" at 15.81,70.055 h0.6 r90
C12: Bottom Overlay "+" at 16.848,60.199 h0.6 r90
CR1: Mechanical 13 "*" at 70.183,24.105 h0.6
J12: Mechanical 13 "PCB EDGE" at 79.053,12.133 h0.81 r90